# Altium PCB hellen1-72.PcbDoc (part 1 of 3) (continued)
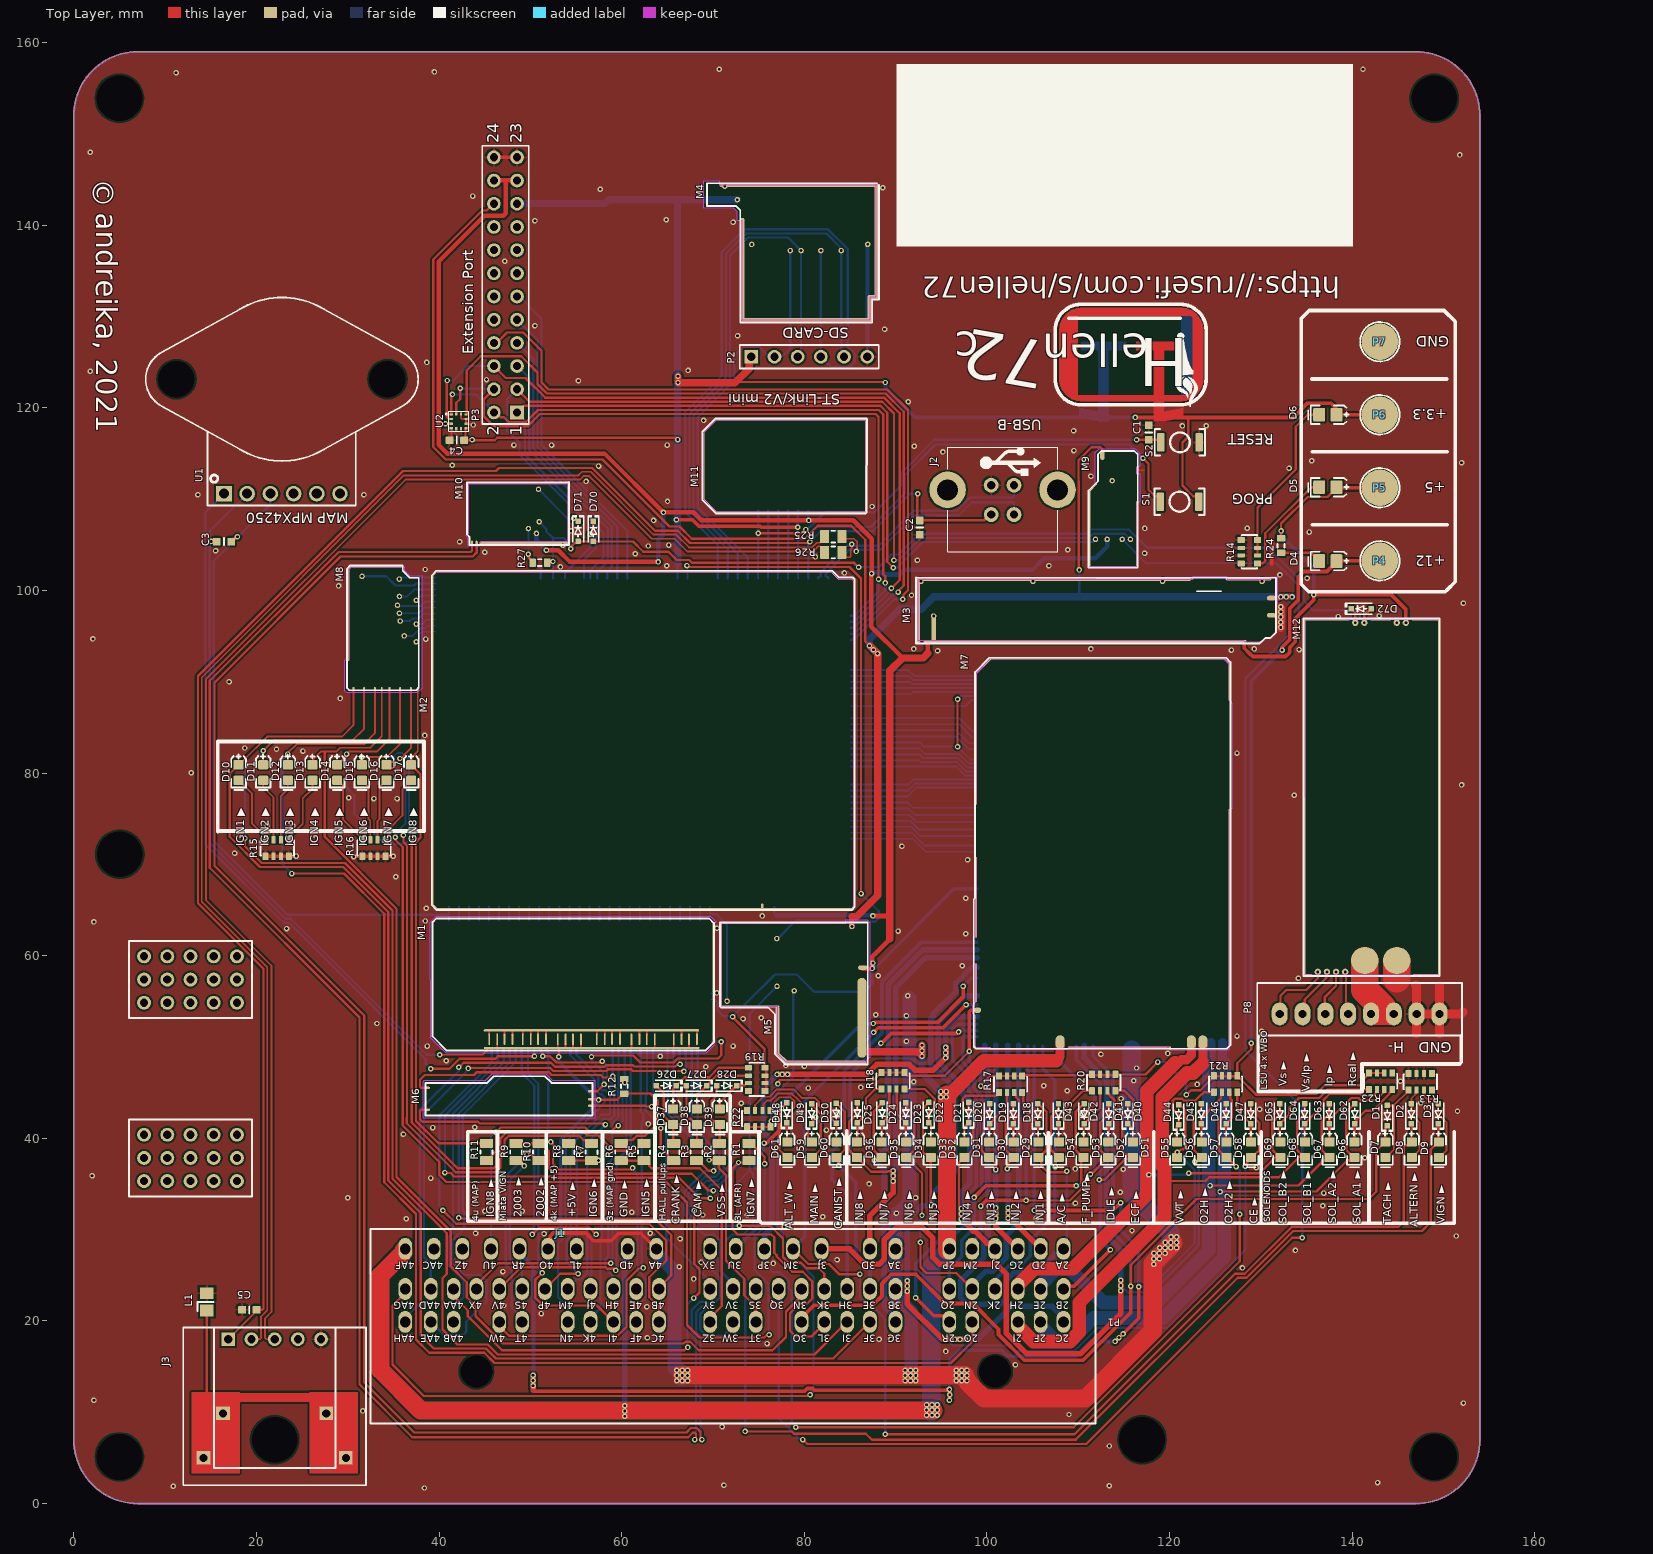
[diagram p0: Top Layer view]
## Footprints (in the part's own frame and the unit in brackets; to place one, negate y for a bottom-side part, rotate by r counter-clockwise, add the part's x,y. Pads: shape width x height; smd on the part's side, far side on the other; paste and mask are expansions set on the pad) (continued)
  rect 0.25x0.35 smd: 5(-0.25,-0.8) 6(0.25,-0.8) 11(0.25,0.8) 12(-0.25,0.8)
  silkscreen extent -1.45,-1.1 1.1,1.1, body extent -1,-1 1,1, height 0.95
MOD_HELLEN_CAN [mm] "Hellen One : CAN module interface"
  oval 0.2x5.67 smd paste-50 mask+0.102: E1(0.2,4.137)
  oval 11.1x0.2 smd paste-50 mask+0.102: E1(5.675,6.875)
  oval 9.8x0.4 smd paste-50 mask+0.102: E1(6.375,0.275)
  oval 0.5x0.25 smd paste-50: E1(11,0.275)
  oval 0.2x6.8 smd paste-50 mask+0.102: E1(11.175,3.538)
  oval 0.25x0.5 smd paste-50: S1(0.65,0.325) S2(1.15,0.325)
  round 0.6 hole 0.3 paste-50: V1(7.7,1.375) V2(6.825,1.9) V5(8,2.65) V6(7.925,6.2)
  Top Layer keep-out region: 0.227,-0.044 0.227,0.918 0.024,1.121 0.287,1.384 0.287,6.81 11.112,6.81 11.112,0.448 1.61,0.448 1.437,0.275 1.437,-0.044
  silkscreen extent 0.1,0.1 11.27,6.99
MOD_Hellen_IGN8 [mm] "Hellen One : 8-ch ignition module interface"
  oval 0.25x10.2 smd paste-50 mask+0.102: G(0.15,8.4)
  oval 0.65x0.25 smd rot 45 paste-50 mask+0.102: G(0.3,13.5)
  oval 5.8x0.25 smd paste-50 mask+0.102: G(3.263,13.65)
  oval 0.2x0.4 smd paste-50: S1(7.775,0.275) S2(7.015,0.275) S3(5.84,0.275) S4(4.665,0.275) S5(3.825,0.275) S6(3.075,0.275) S7(1.9,0.275) S8(0.725,0.275)
  round 0.6 hole 0.3 paste-50: V1(5.765,10.375) V2(7.6,9.95) V3(5.55,9.4) V4(5.765,8.525) V5(5.84,7.675) V6(7.6,7.35) V7(6.29,6.05) V8(7.6,5.4) V9(1.675,12.575) V10(5.75,12.275)
  Top Layer keep-out region: -0.21,0.03 -0.21,3.437 0.171,3.437 0.171,13.345 0.476,13.65 6.3,13.65 6.3,13.248 6.961,12.627 8.19,12.615 8.19,0.265 7.725,-0.2 0.025,-0.2
  silkscreen extent 0.03,0.1 7.88,13.77
MOD_Hellen_Input [mm] "Hellen One : Analog/Digital inputs module interface"
  rrect100% 0.5x0.25 smd far side paste-50: E1(30.65,6.358) E2(30.65,5.698) E3(30.65,5.038) E4(30.65,4.378) E5(30.65,1.078)
  rrect100% 0.2x13 smd paste-50 mask+0.102: E1(30.85,7.545)
  rrect100% 23.6x0.25 smd paste-50 mask+0.102: J1(17.495,2.325) J2(17.52,0.4)
  rrect100% 0.2x1.25 smd paste-50 mask+0.102: J3(6.295,1.35) J4(7.17,1.35) J5(7.97,1.35) J6(8.845,1.35) J7(9.97,1.35) J8(10.845,1.35) J9(11.645,1.35) J10(12.52,1.35) J11(13.795,1.35) J12(14.67,1.35) J13(15.47,1.35) J14(16.345,1.35) J15(18.07,1.35) J16(18.945,1.35) J17(19.745,1.35) J18(20.62,1.35) J19(21.87,1.35) J20(22.745,1.35) J21(23.545,1.35) J22(24.42,1.35) J23(26.5,1.35) J24(27.375,1.35) J25(28.175,1.35) J26(29.05,1.35)
  rrect100% 0.25x0.5 smd far side: N1(1.88,14.327) N2(2.98,14.327) N3(4.08,14.327) N4(5.18,14.327) N5(6.28,14.327) N6(7.38,14.327) N7(8.48,14.327) N8(9.58,14.327) N9(10.68,14.327) N10(11.78,14.327) N11(12.88,14.327) N12(13.98,14.327) N13(15.08,14.327) N14(16.18,14.327) N15(17.28,14.327) N16(18.38,14.327) N17(19.48,14.327) N18(20.58,14.327) N19(21.68,14.327) N20(22.78,14.327) N21(23.88,14.327) N22(24.98,14.327) N23(26.08,14.327) N24(27.18,14.327) N25(28.28,14.327) N26(29.38,14.327)
  rrect100% 0.25x0.5 smd far side paste-50: S1(29.129,0.365) S2(28.469,0.365) S3(27.809,0.365) S4(27.149,0.365) S5(26.489,0.365) S6(25.829,0.365) S7(24.228,0.365) S8(23.568,0.365) S9(22.908,0.365) S10(21.787,0.365) S11(21.127,0.365) S12(20.467,0.365) S13(19.807,0.365) S14(16.481,0.365) S15(15.821,0.365) S16(15.161,0.365) S17(12.515,0.365) S18(11.855,0.365) S19(11.195,0.365) S20(10.535,0.365) S21(9.875,0.365) S22(9.215,0.365) S23(8.555,0.365) S24(7.895,0.365) S25(7.235,0.365) S26(6.575,0.365)
  Top Layer keep-out region: -0.175,1.575 -0.128,1.63 -0.175,14.15 0.484,14.809 30.516,14.809 31.1,14.225 31.1,14.15 30.886,13.936 30.886,0.72 30.898,0.708 30.014,-0.175 1.575,-0.175
  Bottom Layer keep-out region: -0.175,1.575 -0.128,1.63 -0.175,14.15 0.484,14.809 30.516,14.809 31.1,14.225 31.1,14.15 30.886,13.936 30.886,0.72 30.898,0.708 30.014,-0.175 1.575,-0.175
  silkscreen extent 0.1,0.1 30.9,14.58
MOD_HELLEN_KNOCK [mm] "Hellen One : Knock pre-amplifier module interface"
  oval 0.5x0.25 smd paste-50: E1(18.15,2.75) E2(18.15,1.875) E3(18.15,1.175) W1(0.325,0.725) W2(0.325,3.125)
  Top Layer keep-out region: -0.15,-0.225 -0.15,3.875 -0.05,3.975 6.7,3.975 7.4,4.675 13.251,4.675 13.951,3.975 18.647,3.975 18.647,-0.225
  silkscreen extent 0.1,0.1 18.38,4.4
MOD_HELLEN_LIN [mm] "Hellen One : LIN module interface"
  oval 0.2x8.4 smd paste-50 mask+0.102: E1(0.22,4.363)
  oval 0.2x1.2 smd rot 135 paste-50 mask+0.102: E1(0.578,8.878)
  oval 5.25x0.2 smd paste-50 mask+0.102: E1(2.879,0.15)
  oval 0.2x0.7 smd paste-50: E1(5.395,10.775)
  oval 0.2x7.25 smd paste-50 mask+0.102: E1(5.425,3.738)
  oval 0.5x1 smd paste-50: N1(1.625,12.4)
  oval 0.25x0.5 smd paste-50: S1(0.22,0.375)
  round 0.6 hole 0.3 paste-50: V1(2.705,9.625) V2(0.875,3.2) V3(2.15,3.2) V4(3.8,3.2) V5(4.7,3.2)
  Top Layer keep-out region: 0.15,0.293 0.15,8.525 0.86,9.235 0.86,12.685 1.288,13.113 5.237,13.113 5.725,12.625 5.725,11.289 5.541,11.106 5.338,11.106 5.338,10.486 5.317,10.465 5.407,10.375 5.725,10.375 5.725,7.325 5.675,7.275 5.375,7.275 5.375,0.175 5.375,0.175 0.268,0.175
  silkscreen extent 0.1,0.1 5.5,12.88
MOD_HELLEN_MCU [mm] "Hellen One : MCU module interface"
  rrect100% 0.5x0.25 smd far side paste-50: E1(46.002,32.325) E2(46.002,31.665) E3(46.002,31.005) E4(46.002,30.345) E5(46.002,29.685) E6(46.002,26.385) E7(46.002,25.725) E8(46.002,25.065) E9(46.002,24.405) E10(46.002,23.745) E11(46.002,23.085) E12(46.002,22.425) E13(46.002,21.765) E14(46.002,21.105) E15(46.002,20.445) E16(46.002,19.785) E17(46.002,19.125) E18(46.002,18.465) E19(46.002,17.805) E20(46.002,17.145) E21(46.002,16.485) E22(46.002,15.825) E23(46.002,15.165) E24(46.002,14.505) E25(46.002,13.845) E26(46.002,13.185) E27(46.002,12.525) E28(46.002,11.865) E29(46.002,11.205) E30(46.002,10.545) E31(46.002,9.885) E32(46.002,9.225) E33(46.002,8.565) E34(46.002,7.905) W1(0.475,30.58) W2(0.475,31.24) W3(0.475,31.9) W4(0.475,32.56) W5(0.475,33.22) W6(0.475,33.88) W7(0.475,34.54) W8(0.475,35.2) W9(0.475,35.86) W10(0.475,36.52)
  rrect100% 0.25x0.5 smd far side paste-50: N1(12.055,36.452) N2(13.375,36.452) N3(14.695,36.452) N4(15.455,36.452) N5(16.12,36.452) N6(16.785,36.452) N7(17.45,36.452) N8(18.225,36.452) N9(19.325,36.452) N10(20.425,36.452) N11(21.525,36.452) N12(22.625,36.452) N13(23.725,36.452) N14(24.825,36.452) N15(25.925,36.452) N16(27.025,36.452) N17(28.125,36.452) N18(29.225,36.452) N19(30.325,36.452) N20(31.425,36.452) N21(32.525,36.452) N22(33.625,36.452) N23(34.725,36.452) N24(35.825,36.452) N25(36.925,36.452) N26(38.025,36.452) N27(39.125,36.452) N28(40.225,36.452) N29(41.325,36.452) N30(42.425,36.452) N31(43.525,36.452) N32(44.625,36.452) S1(37.625,0.523) S2(36.305,0.523) S3(34.985,0.523) S4(33.885,0.523) S5(32.785,0.523) S6(31.685,0.523) S7(30.585,0.523) S8(29.485,0.523) S9(28.385,0.523) S10(27.285,0.523) S11(26.185,0.523) S12(25.085,0.523) S13(23.985,0.523) S14(22.885,0.523) S15(21.785,0.523) S16(20.685,0.523) S17(19.585,0.523) S18(18.485,0.523) S19(17.385,0.523) S20(16.285,0.523) S21(15.185,0.523) S22(14.085,0.523) S23(12.985,0.523) S24(11.885,0.523) S25(10.785,0.523) S26(9.685,0.523) S27(8.585,0.523) S28(7.485,0.523) S29(6.385,0.523) S30(5.285,0.523) S31(4.185,0.523) S32(3.085,0.523) S33(1.985,0.523)
  rrect100% 0.2x36.19 smd paste-50 mask+0.102: S2(0.175,18.722)
  rrect100% 0.2x0.8 smd rot 135 paste-50 mask+0.102: S2(0.39,36.935)
  rrect100% 0.2x0.94 smd rot 45 paste-50 mask+0.102: S2(0.438,0.462)
  rrect100% 43.5x0.2 smd paste-50 mask+0.102: S2(22.265,37.15)
  rrect100% 45.6x0.2 smd paste-50 mask+0.102: S2(23.4,0.2)
  rrect100% 0.25x0.7 smd paste-50: S2(36.305,0.45)
  rrect100% 0.2x1.2 smd rot 45 paste-50 mask+0.102: S2(44.288,36.788)
  rrect100% 1.6x0.2 smd paste-50 mask+0.102: S2(45.375,36.425)
  rrect100% 0.2x0.58 smd rot 135 paste-50 mask+0.102: S2(46.212,0.337)
  rrect100% 0.2x0.55 smd rot 45 paste-50 mask+0.102: S2(46.225,36.3)
  rrect100% 0.2x35.9 smd paste-50 mask+0.102: S2(46.35,18.325)
  Top Layer keep-out region: 0.098,0.712 0.098,36.72 0.528,37.15 43.925,37.15 44.625,36.45 46.075,36.45 46.35,36.175 46.35,36.175 46.35,0.374 46.086,0.109 0.682,0.109
  Bottom Layer keep-out region: 0.098,0.712 0.151,36.773 0.536,37.15 43.925,37.15 44.625,36.45 46.075,36.45 46.35,36.175 46.35,0.374 46.075,0.099 46.064,0.109 0.682,0.109
  silkscreen extent 0.1,0.1 46.43,37.26
MOD_Hellen_OUTPUT [mm] "Hellen One : Outputs module interface"
  oval 0.2x3.6 smd paste-50 mask+0.102: G(0.175,2.025)
  oval 0.2x0.3 smd rot 45 paste-50 mask+0.102: G(0.245,0.273)
  oval 0.2x4.25 smd paste-50 mask+0.102: G(0.325,7.335)
  oval 0.2x14.4 smd paste-50 mask+0.102: G(0.327,34.056)
  oval 0.2x8.825 smd paste-50 mask+0.102: G(0.327,16.697)
  oval 1.7x0.2 smd paste-50 mask+0.102: G(1.075,0.2)
  oval 2.43x0.2 smd rot 45 paste-50 mask+0.102: G(1.135,42.031)
  oval 25.7x0.2 smd paste-50 mask+0.102: G(14.7,42.835)
  oval 25.6x0.2 smd far side paste-50 mask+0.102: G(14.7,42.825)
  oval 11.325x0.2 smd paste-50 mask+0.102: G(16.025,0.26)
  oval 0.2x1.2 smd far side rot 45 paste-50 mask+0.102: G(27.745,42.47)
  oval 1x0.2 smd rot 135 paste-50 mask+0.102: G(27.789,42.551)
  oval 0.2x25.85 smd paste-50 mask+0.102: G(28.075,13.46)
  oval 0.2x4.15 smd paste-50 mask+0.102: G(28.077,40.271)
  oval 0.2x40.8 smd far side paste-50 mask+0.102: G(28.1,21.8)
  oval 1x1.5 smd far side paste-50: S1(27.302,0.814) S2(26.046,0.814)
  oval 11.4x1.1 smd far side paste-50: S3(19.602,0.689)
  oval 1x1.5 smd paste-50: S4(25.157,0.839) S5(23.902,0.839) S11(9.527,0.839)
  oval 0.4x0.6 smd far side paste-50: S6(13.152,0.389) S8(11.307,0.389) S9(10.577,0.389) S10(9.682,0.389) S12(7.607,0.389) S13(6.707,0.389) S14(5.997,0.389)
  oval 0.6x0.8 smd far side paste-50: S7(12.177,0.489) S15(4.977,0.489) S16(3.802,0.489) S17(2.452,0.489) S18(1.277,0.489)
  oval 0.6x0.4 smd far side paste-50: W1(0.377,1.419) W2(0.377,2.114) W3(0.377,2.794) W6(0.377,4.919) W8(0.377,7.164) W9(0.377,7.814) W13(0.377,11.789) W14(0.377,17.639)
  oval 0.8x0.6 smd far side paste-50: W4(0.472,3.614) W7(0.472,5.889) W10(0.472,9.014) W11(0.472,10.089) W12(0.472,10.964)
  oval 0.8x0.6 smd paste-50: W5(0.472,4.335)
  oval 0.4x0.2 smd far side paste-50: W15(0.272,21.694) W16(0.272,22.354) W17(0.272,23.414) W18(0.272,24.118) W19(0.272,24.918) W20(0.272,25.718) W21(0.272,26.514) W22(0.272,28.709) W23(0.272,29.149) W24(0.272,29.589) W25(0.272,30.029) W26(0.272,30.469) W27(0.272,30.909) W28(0.272,31.349) W29(0.272,31.789) W30(0.272,32.914) W31(0.272,33.574) W32(0.272,34.234) W33(0.272,34.894) W34(0.272,38.299) W35(0.272,38.739) W36(0.272,39.179) W37(0.272,39.619) W38(0.272,40.059) W39(0.272,40.499) W40(0.272,40.939)
  Top Layer keep-out region: 0.175,0.342 0.175,3.75 -0.025,3.95 -0.025,4.885 0.35,5.26 0.35,9.375 0.3,9.425 0.05,9.425 0.05,12.275 0.125,12.35 0.35,12.35 0.35,21.05 0.175,21.225 0.175,26.825 0.275,26.925 0.35,26.925 0.359,41.263 1.954,42.858 27.485,42.858 27.485,42.829 28.087,42.227 28.087,38.21 28.35,37.96 28.347,26.41 28.235,26.41 28.075,26.25 28.075,0.66 27.972,0.66 27.972,-0.065 21.65,-0.065 21.368,0.217 21.368,0.263 10.463,0.263 10.25,0.05 10.25,0 1.875,0 1.825,0.05 1.825,0.2 0.317,0.2
  Bottom Layer keep-out region: 0.325,-0.2 -0.025,0.15 -0.025,16.425 0.05,16.5 0.05,41.425 1.75,43.125 1.979,42.827 27.388,42.827 28.114,42.101 28.114,1.508 28.27,1.343 28.27,0.515 27.804,-0.035 25.492,-0.028 25.09,0.61 14.255,0.61 13.445,-0.2
  silkscreen extent 0.07,0.11 28.18,42.94
MOD_HELLEN_POWER_5 [mm] "Hellen One : 5V power module interface"
  oval 0.4x7.2 smd paste-50 mask+0.102: G(0.325,3.719)
  round 0.6 hole 0.3 paste-50: G(0.637,6.9) G(12.9,6.9) G(27.1,6.9) G(38,6.9) V2(2.025,3.1)
  oval 30x0.4 smd paste-50 mask+0.102: G(15.2,7.125)
  oval 5x0.4 smd paste-50 mask+0.102: G(36.512,7.175)
  oval 1x0.5 smd paste-50: G(39.02,3.175) V1(39.02,5.075)
  oval 0.2x3.1 smd paste-50 mask+0.102: G(39.495,2.875)
  oval 0.5x3 smd paste-50 mask+0.102: V2(2.025,1.717)
  oval 35.4x0.4 smd paste-50 mask+0.102: V2(18.6,0.3)
  Top Layer keep-out region: 0.325,0.4 0.325,0.425 0.35,7.075 0.406,7.131 17.8,7.131 22.518,7.132 22.65,7.131 22.675,7.13 30.4,7.15 30.45,7.2 30.45,7.475 34.075,7.475 34.175,7.375 34.175,7.15 38.775,7.15 39.05,7.425 39.675,7.425 39.675,4.378 39.475,4.375 39.475,4.354 39.46,4.34 39.46,1.148 38.931,0.619 38.425,0.619 38.011,0.205 36.195,0.205 36,0.4
  silkscreen extent 0.1,0.1 39.52,7.35
MOD_HELLEN_POWER_12 [mm] "Hellen One : 12V power module interface"
  oval 1x0.5 smd paste-50: E1(15.725,10.7)
  oval 1x8.745 smd paste-50 mask+0.102: E2(15.64,5.197)
  oval 0.2x9.2 smd paste-50 mask+0.102: S1(0.2,10.944)
  oval 0.2x0.5 smd paste-50: S1(0.2,6.65)
  oval 6.5x0.2 smd paste-50 mask+0.102: S1(3.35,6.425)
  oval 0.4x5.4 smd paste-50 mask+0.102: S1(6.4,3.775)
  oval 0.4x1.6 smd rot 45 paste-50 mask+0.102: S1(6.9,0.775)
  oval 13.8x0.2 smd paste-50 mask+0.102: S1(7.044,15.55)
  oval 9x0.4 smd paste-50 mask+0.102: S1(11.65,0.3)
  round 0.6 hole 0.3 paste-50: V1(14.55,15.2) V2(6.325,13.875) V3(6.343,8.643) V4(8.225,8.15) V5(0.875,7.025)
  Top Layer keep-out region: 0.225,6.425 0.25,6.45 0.25,15.55 13.875,15.55 13.9,15.575 13.9,15.924 16.238,15.926 16.482,15.625 16.482,0.832 16.373,0.832 15.975,0.325 7.375,0.325 6.425,1.275 6.425,6.375 6.4,6.4
  silkscreen extent 0.1,0.1 16.27,15.63
MOD_HELLEN_SD [mm] "Hellen One : SD-card module interface"
  oval 0.5x11.4 smd paste-50 mask+0.102: G(3.975,5.887)
  oval 17.4x0.4 smd paste-50 mask+0.102: G(10.175,15.175)
  oval 14.45x0.5 smd paste-50 mask+0.102: G(10.945,0.35)
  oval 0.5x3 smd paste-50 mask+0.102: G(17.925,1.625)
  oval 1.2x0.5 smd paste-50 mask+0.102: G(18.275,2.9)
  oval 0.5x12.7 smd paste-50 mask+0.102: G(18.675,9.012)
  round 0.6 hole 0.3: V1(3.425,13.575) V2(5,8.67) V3(17.704,8.679) V4(9.225,8) V5(10.4,8) V6(12.575,8) V7(14.8,8)
  Top Layer keep-out region: -0.275,12.625 -0.275,15.63 1.458,15.63 1.459,15.291 1.575,15.175 1.587,15.187 18.612,15.187 18.601,15.176 18.601,2.9 17.942,2.9 17.942,0.375 3.925,0.375 3.95,0.4 3.95,11.275 3.399,11.275 3.399,12.276 3.05,12.625
  silkscreen extent 0.1,0.1 18.95,15.37
MOD_HELLEN_STLINK [mm] "Hellen One : ST/Link module interface"
  rrect100% 0.2x7.49 smd paste-50 mask+0.102: G(0.225,5.322)
  rrect100% 0.2x7.49 smd far side paste-50 mask+0.102: G(0.225,5.322)
  rrect100% 0.2x0.8 smd far side rot 45 paste-50 mask+0.102: G(0.448,1.452)
  rrect100% 0.2x2.19 smd rot 135 paste-50 mask+0.102: G(0.935,9.701)
  rrect100% 0.2x2.19 smd far side rot 135 paste-50 mask+0.102: G(0.935,9.701)
  rrect100% 0.2x2.24 smd rot 45 paste-50 mask+0.102: G(0.948,0.952)
  rrect100% 16.55x0.2 smd paste-50 mask+0.102: G(9.821,10.407)
  rrect100% 16.55x0.2 smd far side paste-50 mask+0.102: G(9.821,10.407)
  rrect100% 16.46x0.2 smd paste-50 mask+0.102: G(9.854,0.229)
  rrect100% 0.2x10.37 smd paste-50 mask+0.102: G(18.017,5.312)
  rrect100% 0.2x9.37 smd far side paste-50 mask+0.102: G(18.017,5.812)
  rrect100% 0.25x0.5 smd far side paste-50: N1(11.725,0.4) N2(10.625,0.4) N3(9.525,0.4) N4(8.425,0.4) N5(7.325,0.4) N6(6.225,0.4)
  Top Layer keep-out region: 0.225,1.675 0.225,8.975 1.65,10.4 18,10.4 18.025,10.375 18.025,0.25 1.7,0.25
  Bottom Layer keep-out region: 0.678,1.221 0.221,1.678 0.221,8.981 0.219,8.983 1.642,10.406 17.951,10.406 17.977,10.38 17.977,1.259 18.3,1.259 18.3,-0.075 1.575,-0.075 0.525,0.975 0.525,0.975
  silkscreen extent 0.1,0.1 18.13,10.5
MOD_HELLEN_WBO [mm] "Hellen One : WBO module interface"
  round 0.7 hole 0.3: E1(38.8,1.65) E2(38.8,2.65) E3(38.8,3.65) E4(38.8,4.65) W1(0.55,11.3) W2(0.55,10.3) W3(0.55,6.75) W4(0.55,5.75)
  round 3 smd: E5(37.55,6.8) E6(37.55,10.3)
  rect 0.25x3.1 smd: G(0.175,13.5)
  rect 0.25x3.1 smd far side: G(0.175,13.5)
  rect 0.25x2.25 smd: G(0.175,8.525)
  rect 0.25x2.25 smd far side: G(0.175,8.525)
  rect 0.25x5.05 smd: G(0.175,2.575)
  rect 0.25x5.05 smd far side: G(0.175,2.575)
  rect 39.25x0.25 smd: G(19.675,14.925) G(19.675,0.175)
  rect 39.25x0.25 smd far side: G(19.675,14.925) G(19.675,0.175)
  rect 0.25x0.95 smd: G(39.175,0.525)
  rect 0.25x0.95 smd far side: G(39.175,0.525)
  rect 0.25x9.75 smd far side: G(39.175,10.175)
  rect 0.25x2.95 smd: G(39.175,13.575)
  Top Layer keep-out region: 0.175,0.2 0.175,14.925 39.175,14.925 39.175,0.175
  Bottom Layer keep-out region: 0.175,0.2 39.175,0.175 39.175,14.925 0.175,14.925
  silkscreen extent 0.1,0.1 39.25,15
MODULE-USB-MINI [mm] "Connector; Header; 5 Position"
  rect 1.5x1.5 hole 0.9: 1(-5.08,0) S(-7.8,-13) S(-5.65,-8.125) S(5.65,-8.125) S(7.8,-13)
  round 1.5 hole 0.9: 2(-2.54,0) 3(0,0) 4(2.54,0) 5(5.08,0)
  silkscreen extent -10,-16 9.99,1.27
MPX4250AP [mm]
  rect 1.7x1.7 hole 1.1 paste-1000 mask+0: 1(0,6.35)
  round 1.7 hole 1.1 paste-1000 mask+0: 2(0,3.81) 3(0,1.27) 4(0,-1.27) 5(0,-3.81) 6(0,-6.35)
  round 0 hole 4 unplated: _1(12.54,-11.555) ""(12.54,11.555)
  silkscreen extent -1.3,-14.92 21.49,14.92, body extent -0.31,-14.73 32.58,14.73, height 8.01
NET-TIE [mm] "Net Tie"
  rect 0.5x0.5 smd paste-5 mask+0.102: 1(-0.2,0) 2(0.2,0)
PAD-SMD-4.0 [mm] "SMD Pad; Header; 1 Position"
  round 4 smd: 1(0,0)
  silkscreen extent -2.16,-2.16 2.16,2.16, body extent -0.05,-0.05 0.05,0.05
R0603 [mm] "Chip Resistor 0.1W; Body 1.6 x 0.8 mm (LxW typ)"
  rrect20% 0.7x0.92 smd: 1(-0.8,0) 2(0.8,0)
  silkscreen extent -0.2,-0.37 0.2,0.37, body extent -0.8,-0.4 0.8,0.4, height 0.45
R0603_x4 [mm] "CAY16-F4 Resistor Array; 8 Leads; Body 3.2 x 1.6 mm, inc. leads (LxW max)"
  rrect20% 0.8x0.65 smd: 1(-0.9,1.275) 4(-0.9,-1.275) 5(0.9,-1.275) 8(0.9,1.275)
  rrect20% 0.8x0.45 smd: 2(-0.9,0.4) 3(-0.9,-0.4) 6(0.9,-0.4) 7(0.9,0.4)
  silkscreen extent -0.82,-1.83 0.82,1.83, body extent -0.8,-1.6 0.8,1.6, height 0.49
R0805 [mm] "Chip Resistor 0.125W; Body 2.0 x 1.2 mm (LxW typ)"
  rrect20% 1x1.45 smd: 1(-0.95,0) 2(0.95,0)
  silkscreen extent -0.2,-0.65 0.2,0.65, body extent -0.95,-0.62 1.05,0.63, height 0.6
SOD-323 [mm] "SODFL, 2-Leads, Body 1.25x2.50mm, IPC Medium Density"
  rrect20% 0.6x0.6 smd: 1(-1.1,0) 2(1.1,0)
  silkscreen extent -1.73,-0.57 1.2,0.6, body extent -1.25,-0.63 1.25,0.62, height 0.8

## Part data
C1 C3 C4: library part Cap, "Capacitor", Supplier Part Number 1=710-885012207079, Fitted=True, PackageReference=C0603, Supplier 1=Mouser, Supplier 2=Digi-Key, Supplier 3=LCSC, Supplier Part Number 2=732-7673-1-ND, Supplier Part Number 3=C14663, Type=SMD
C2 C5: library part Cap, "Capacitor", Fitted=True, PackageReference=C0603, Supplier 3=LCSC, Supplier Part Number 3=C14663, Type=SMD
D1 D2 D3 D18 D19 D20 D21 D22 D23 D24 D25 D26 D27 D28 D40 D41 D42 D43 D44 D45 D46 D47 D48 D49 D50 D62 D63 D64 D65: library part Diode, "Small Signal Fast Switching Diode", ComponentLink1Description="Manufacturer Link", ComponentLink1URL=http://www.vishay.com, ComponentLink2Description=Datasheet, ComponentLink2URL=http://www.vishay.com/docs/85557/85557.pdf, DatasheetVersion=1997, Fitted=True, LatestRevisionDate=17-Jul-2002, LatestRevisionNote="Re-released for DXP Platform.", Note="LL4148, MMSD4148", PackageDescription=SOD-323, PackageReference=SOD-323, PackageVersion=1997, Published=29-Sep-2000, Publisher="andrei (modified from Vishay parts)", Supplier 1=Mouser, Supplier 2=DigiKey, Supplier 3=LCSC, Supplier Part Number 3=C2128, Type=SMD
D4 D5 D6 D9: library part LED, "GREEN LED", PackageDocument=Feb-2002, Fitted=True, LatestRevisionDate=17-Jul-2002, LatestRevisionNote="Re-released for DXP Platform.", Published=8-Jun-2000, Publisher="Altium Limited", Supplier 3=LCSC, Type=SMD
  D4 D5 D6: PackageReference=LED-0805, Supplier Part Number 3=C2297
  D9: PackageReference=LED-0603, Supplier Part Number 3=C72043
D7 D8 D39 D51 D52 D53 D54 D55 D56 D57 D58 D59 D60 D61 D66 D67 D68 D69: library part LED, "WHITE LED", PackageDocument=Feb-2002, Fitted=True, LatestRevisionDate=17-Jul-2002, LatestRevisionNote="Re-released for DXP Platform.", PackageReference=LED-0603, Published=8-Jun-2000, Publisher="Altium Limited", Supplier 3=LCSC, Supplier Part Number 3=C2290, Type=SMD
D10 D11 D12 D13 D14 D15 D16 D17: library part LED, "BLUE LED", PackageDocument=Feb-2002, Fitted=True, LatestRevisionDate=17-Jul-2002, LatestRevisionNote="Re-released for DXP Platform.", PackageReference=LED-0603, Published=8-Jun-2000, Publisher="Altium Limited", Supplier 3=LCSC, Supplier Part Number 3=C72041, Type=SMD
D29 D30 D31 D32 D33 D34 D35 D36 D37 D38: library part LED, "RED LED", PackageDocument=Feb-2002, Fitted=True, LatestRevisionDate=17-Jul-2002, LatestRevisionNote="Re-released for DXP Platform.", PackageReference=LED-0603, Published=8-Jun-2000, Publisher="Altium Limited", Supplier 3=LCSC, Supplier Part Number 3=C2286, Type=SMD
D70 D71 D72: library part "D Schottky", "Schottky Diode", Code_JEDEC=DO-214-AA, Fitted=True, LatestRevisionDate=17-Jul-2002, LatestRevisionNote="Re-released for DXP Platform.", PackageReference=SOD-323, Published=8-Jun-2000, Publisher="Altium Limited", Supplier 3=LCSC, Supplier Part Number 3=C2128, Type=SMD
J1: "One-point Net Tie", LatestRevisionDate=17-Jul-2002, LatestRevisionNote="Re-released for DXP Platform.", Published=8-Jun-2000, Publisher="Altium Limited"
J2 J3: library part "Conn USB", "USB Connector Type B", PackageDocument=2003, ComponentLink1Description="Manufacturer Link", ComponentLink1URL=http://www.cliffuk.co.uk/, DatasheetDocument=2003, DrillAndSlotSize="Corresponds to nominal value.", Fitted=True, LatestRevisionDate=15-Jul-2004, LatestRevisionNote="Component Replaced & renamed from \"Phonejack\".", PackageReference=USB-B-VERTICAL, PCB_Layout="Complies with manufacturer's recommendation.", Publisher=andrei, Supplier 1=Mouser, Supplier 2=DigiKey, Supplier 3=LCSC, Type=SMD
L1: library part Inductor, "Chip Inductor", Supplier Part Number 1=963-BK2125HM601-T, Code_IEC=1005, Code_JEITA=0402, Fitted=True, LatestRevisionDate=17-Jul-2002, LatestRevisionNote="Re-released for DXP Platform.", PackageReference=L0805, Published=8-Jun-2000, Publisher="Altium Limited", Supplier 1=Mouser, Supplier 2=Digi-Key, Supplier 3=LCSC, Supplier Part Number 2=587-1902-1-ND, Supplier Part Number 3=C1015, Type=SMD
M1: library part Mod-Hellen-Input, "Hellen-One Analog/Digital Inputs Module", Fitted=False, Publisher=andreika, Supplier 1=Mouser, Supplier 2=Digi-Key, Supplier 3=LCSC, Type=Module
M2: library part Mod-Hellen-MCU, "Hellen One MCU Module", Fitted=False, Publisher=andreika, Supplier 1=Mouser, Supplier 2=Digi-Key, Supplier 3=LCSC, Type=Module
M3: library part Mod-Hellen-Power5, "Hellen-One Power-5V Module", Fitted=False, Publisher=andreika, Supplier 1=Mouser, Supplier 2=Digi-Key, Supplier 3=LCSC, Type=Module
M4: library part Mod-Hellen-SD, "Hellen-One microSD Card Module", Fitted=False, Publisher=andreika, Supplier 1=Mouser, Supplier 2=Digi-Key, Supplier 3=LCSC, Type=Module
M5: library part Mod-Hellen-Power12, "Hellen-One Power-12V Module", Fitted=False, Publisher=andreika, Supplier 1=Mouser, Supplier 2=Digi-Key, Supplier 3=LCSC, Type=Module
M6: library part Mod-Hellen-Knock, "Hellen-One Knock Pre-amplifier Module", Fitted=False, Publisher=andreika, Supplier 1=Mouser, Supplier 2=Digi-Key, Supplier 3=LCSC, Type=Module
M7: library part Mod-Hellen-Output, "Hellen-One Outputs Module", Fitted=False, Publisher=andreika, Supplier 1=Mouser, Supplier 2=Digi-Key, Supplier 3=LCSC, Type=Module
M8: library part Mod-Hellen-IGN8, "Hellen-One 8-ch Ignition Module", Fitted=False, Publisher=andreika, Supplier 1=Mouser, Supplier 2=Digi-Key, Supplier 3=LCSC, Type=Module
M9: library part Mod-Hellen-LIN, "Hellen-One K-LINE (LIN) Module", Fitted=False, Publisher=andreika, Supplier 1=Mouser, Supplier 2=Digi-Key, Supplier 3=LCSC, Type=Module
M10: library part Mod-Hellen-CAN, "Hellen-One CAN Module", Fitted=False, Publisher=andreika, Supplier 1=Mouser, Supplier 2=Digi-Key, Supplier 3=LCSC, Type=Module
M11: library part Mod-Hellen-STLink, "Hellen-One ST/Link Module", Fitted=False, Publisher=andreika, Supplier 1=Mouser, Supplier 2=Digi-Key, Supplier 3=LCSC, Type=Module
M12: library part Mod-Hellen-WBO, "Hellen-One WBO Module", Fitted=False, Publisher=andreika, Supplier 1=Mouser, Supplier 2=Digi-Key, Supplier 3=LCSC, Type=Module
P1: library part CONN-TE-72Pin, "72 Pin ECU Connector (TE 1123038-2)", Fitted=False, Publisher=andreika, Type=PTH
P2: library part "Header 1x6", "Header, 6-Pin", Fitted=False, LatestRevisionDate=17-Jul-2002, LatestRevisionNote="Re-released for DXP Platform.", Publisher="Altium Limited", Supplier 3=LCSC, Type=TH
P3: library part "Header 2x12", "Header, 12-Pin, Dual row", LatestRevisionDate=17-Jul-2002, LatestRevisionNote="Re-released for DXP Platform.", Publisher="Altium Limited"
P4 P5 P6 P7: library part Pad, "Pad", Fitted=False
P8: library part "Header 1x8", "Header, 8-Pin 2.50mm pitch, 3A", Fitted=True, LatestRevisionDate=17-Jul-2002, LatestRevisionNote="Re-released for DXP Platform.", PackageReference=CONN-XH-8A, Publisher="Altium Limited", Supplier 3=LCSC, Supplier Part Number 3=C146110, Type=TH
R1 R2 R3 R4 R5 R6 R7 R8 R9 R10 R11 R12 R24 R25 R26 R27: library part Res, "Resistor", Supplier 3=LCSC, Type=SMD
  R1 R2 R3 R4 R6 R8 R9 R10 R11 R25 R26: Fitted=True, PackageReference=R0805, Supplier 1=Mouser, Supplier 2=DigiKey, Supplier Part Number 3=C17477
  R5 R7: Fitted=False, PackageReference=R0805, Supplier 1=Mouser, Supplier 2=DigiKey, Supplier Part Number 3=C17477
  R12: Fitted=True, PackageReference=R0603, Supplier Part Number 3=C21190
  R24: Fitted=True, PackageReference=R0603, Supplier 1=Mouser, Supplier 2=DigiKey, Supplier Part Number 3=C4190
  R27: Fitted=True, PackageReference=R0603, Supplier 1=Mouser, Supplier 2=DigiKey, Supplier Part Number 3=C22978
R13 R14 R15 R16 R17 R18 R19 R20 R21 R22 R23: library part "Res Array 4", "Resistor", Fitted=True, PackageReference=R0603-4, Supplier 1=Mouser, Supplier 2=Digi-Key, Supplier 3=LCSC, Type=SMD
  R13 R17 R18 R20 R21 R22 R23: Supplier Part Number 3=C1980
  R14 R15 R16 R19: Supplier Part Number 3=C25510
S1 S2: "Single-Pole, Single-Throw Switch", Fitted=True, LatestRevisionDate=17-Jul-2002, LatestRevisionNote="Re-released for DXP Platform.", PackageReference=SMD-2_2.9x3.9x1.7, Published=24-Mar-1999, Publisher="Altium Limited", Supplier 3=LCSC, Supplier Part Number 3=C115357, Type=SMD
U1: library part MPX4250AP, Fitted=False, PackageReference=867B, Supplier 3=LCSC, Type=TH
U2: "QMA7981 3-Axis Accelerometer IC, 0  400 (SCL) kHz, Maximum of 10 (SPI) MHz", Manufacturer_Name=STMicroelectronics, Manufacturer_Part_Number=LIS2DH12TR, RS Part Number=1458888, Datasheet Link=http://docs-europe.electrocomponents.com/webdocs/13f2/0900766b813f2467.pdf, Fitted=True, Geometry.Height=1mm, PackageReference=LGA12, RS Price/Stock=http://uk.rs-online.com/web/p/products/1458888, Supplier 3=LCSC, Supplier Part Number 3=C457290, Type=SMD

## Free pads (board coordinates)
  round 0 hole 5 unplated: ""(5,5.1) ""(5,153.9) ""(5.049,71.1) ""(22,7) ""(117,7) ""(149,5.1) ""(149,153.9)
  round 1.524 hole 0.9: ""(7.7,35.31) ""(7.7,37.85) ""(7.7,40.39) ""(7.7,54.85) ""(7.7,57.39) ""(7.7,59.93) ""(10.24,35.31) ""(10.24,37.85) ""(10.24,40.39) ""(10.24,54.85) ""(10.24,57.39) ""(10.24,59.93) ""(12.78,35.31) ""(12.78,37.85) ""(12.78,40.39) ""(12.78,54.85) ""(12.78,57.39) ""(12.78,59.93) ""(15.32,35.31) ""(15.32,37.85) ""(15.32,40.39) ""(15.32,54.85) ""(15.32,57.39) ""(15.32,59.93) ""(17.86,35.31) ""(17.86,37.85) ""(17.86,40.39) ""(17.86,54.85) ""(17.86,57.39) ""(17.86,59.93)

## Via types
v1: diameter 0.6, hole 0.3, Top Layer to Bottom Layer, tented both sides, 490 vias

## Nets (pads, with @x,y where several pads share a name; then routed paths per layer and width w, separated by ;. In a path a pad name is that pad's centre, name@x,y a point inside that pad or via, vN(x,y) a via of type N, cw(c..) or ccw(c..) an arc to the next point about the centre after c; other vN are vias at no path point)
AC: M2.E9 M7.W37 | length 13.7
  Bottom Layer w0.2: M2.E9@85.102,89.305 85.112,89.315 85.272,89.315 85.276,89.319 M7.W37@98.772,89.319
AC_PRESS: M1.N10 M2.S24 | length 1.6
  Bottom Layer w0.2: M1.N10@50.983,63.83 M2.S24@50.983,65.42
AFR: M1.N26 M2.S8 | length 1.6
  Bottom Layer w0.2: M1.N26@68.582,63.83 M2.S8@68.582,65.42
ALT_WARN: M2.E7 M7.W39 | length 13.8
  Bottom Layer w0.2: M2.E7@85.102,90.625 91.509,90.625 91.936,90.199 M7.W39@98.772,90.199
ALTERN: M2.E19 M7.W28 | length 14.4
  Bottom Layer w0.2: M2.E19@85.102,82.705 92.62,82.705 93.25,82.075 97,82.075 98.026,81.049 M7.W28@98.772,81.049
BOOT0: M2.N28 S1.1 | length 53.8
  Top Layer w0.25: v1(117.1,114.475) 117.7,113.875 117.7,111.025 118.407,110.318 118.725,110.318 119,110.043 S1.1@119,109.725
  Bottom Layer w0.25: M2.N28@79.325,101.352 79.325,105.443 79.457,105.575 79.925,105.575 80.396,106.046 80.439,106.046 80.805,106.412 80.805,106.455 81.3,106.95 87.311,106.95 91.009,110.648 91.009,112.623 94.386,116 115.575,116 v1(117.1,114.475)
BRAKE: M1.N6 M2.S28 | length 1.6
  Bottom Layer w0.2: M1.N6@46.583,63.83 M2.S28@46.583,65.42
CAM: M1.N19 M2.S15 | length 1.6
  Bottom Layer w0.2: M1.N19@60.882,63.83 M2.S15@60.882,65.42
CAM_PULLUP: D27.2 D38.2 R3.2 | length 6.9
  Top Layer w0.25: D27.2@67.1,45.775 67.1,42.45 67.4,42.15 67.55,42.15 68.2,41.5 D38.2@68.25,41.5 68.25,39.5 R3.2@68.2,39.45
CAN_N: M10.S1 P1.3X | length 184.1
  Top Layer w0.25: M10.S1@43.62,105.205 43.62,105.202 43.618,105.2 43.618,104.355 43.486,104.223 29.016,104.223 14.9,90.107 14.9,89.91 14.896,89.906 14.896,69.641 31.296,53.241 31.296,13.055 37.08,7.271 67.305,7.271 67.791,7.757 68.014,7.757 68.146,7.625 68.146,7.243 67.998,7.095 v1(67.998,7)
  Top Layer w0.381: v1(67.998,7) v1@68.04,6.958
  Bottom Layer w0.25: P1.3X@69.7,27.9 69.7,25.8 70.775,24.725 70.775,22.605 69.87,21.7 69.567,21.7 69.176,22.091 68.572,22.091 67.671,21.19 67.671,18.61 68.146,18.135 68.146,10.661 v1@68.146,7.243 ; v1@68.146,7.243 68.146,7.148 v1(67.998,7) 67.998,7.095 v1@68.146,7.243
CAN_P: M10.S2 P1.3W | length 182.7
  Top Layer w0.25: M10.S2@44.12,105.205 44.12,104.995 44.118,104.993 44.118,104.148 43.693,103.723 29.223,103.723 15.4,89.9 15.4,69.85 31.8,53.45 31.8,13.264 37.289,7.775 67.096,7.775 67.582,8.261 68.223,8.261 68.65,7.834 68.65,7.243 68.798,7.095 v1(68.798,7)
  Top Layer w0.381: v1@68.756,6.958 v1(68.798,7)
  Bottom Layer w0.25: P1.3W@72.2,19.9 72.2,19.45 71.125,18.375 69.255,18.375 68.625,19.005 68.625,20.795 69.099,21.269 69.099,21.455 68.967,21.587 68.781,21.587 68.175,20.982 68.175,18.818 68.65,18.343 68.65,10.869 v1@68.65,7.243 ; v1@68.65,7.243 68.65,7.148 v1(68.798,7) 68.798,7.095 v1@68.65,7.243
CAN_RX_TX: D70.2 D71.2 D72.2 M2.N2 M10.V5 M12.W3 R27.1 | length 108.3
  Top Layer w0.25: R27.1@51.85,103.05 51.975,103.175 v1(52.475,103.175) ; v1(54.431,104.571) 54.431,104.756 54.875,105.2 55.05,105.2 D71.2@55.225,105.375 D70.2@56.9,105.375 61.239,105.375 62.366,104.247 65.128,104.247 66.025,103.35 67.409,103.35 67.734,103.025 85.465,103.025 v1(85.95,102.54) ; M12.W3@141.35,96.475 141.35,97.393 141.615,97.659 141.759,97.659 D72.2@142.1,98
  Bottom Layer w0.25: M10.V5@50.97,107.53 51.756,106.744 51.756,106.469 52.475,105.75 ; M2.N2@52.475,101.352 52.475,105.75 ; v1(54.431,104.571) 54.418,104.584 54.418,104.992 53.66,105.75 52.475,105.75 ; v1(85.95,102.54) 85.985,102.575 88.2,102.575 89.571,103.946 90.323,103.946 92.604,106.227 110.877,106.227 111.325,106.675 115.534,106.675 117.534,104.675 130.789,104.675 134.7,100.764 134.7,98.85 135.7,97.85 141.05,97.85 141.35,97.55 M12.W3@141.35,96.475
CAN_VIO: M2.N1 M10.V2 R27.2 | length 7.1
  Top Layer w0.25: v1(49.775,103.975) 49.842,103.908 49.842,103.568 50.25,103.16 R27.2@50.25,103.05
  Bottom Layer w0.25: M10.V2@49.795,106.78 49.795,103.73 51.155,102.37 M2.N1@51.155,101.352
CANIST: M2.E21 M7.W26 | length 14.2
  Bottom Layer w0.2: M2.E21@85.102,81.385 92.615,81.385 92.775,81.225 96.7,81.225 97.756,80.169 M7.W26@98.772,80.169
CE: M2.E22 M7.W25 | length 14.1
  Bottom Layer w0.2: M2.E22@85.102,80.725 96.634,80.725 97.631,79.729 M7.W25@98.772,79.729
CLT: M1.N16 M2.S18 | length 1.6
  Bottom Layer w0.2: M1.N16@57.583,63.83 M2.S18@57.583,65.42
CLUTCH: M1.N8 M2.S26 | length 1.6
  Bottom Layer w0.2: M1.N8@48.783,63.83 M2.S26@48.783,65.42
COIL_A1: M2.E14 M7.W33 | length 14.3
  Bottom Layer w0.2: M2.E14@85.102,86.005 96.97,86.005 98.381,84.594 M7.W33@98.772,84.594
COIL_A2: M2.E15 M7.W32 | length 14.3
  Bottom Layer w0.2: M2.E15@85.102,85.345 96.955,85.345 98.366,83.934 M7.W32@98.772,83.934
COIL_B1: M2.E16 M7.W31 | length 14.3
  Bottom Layer w0.2: M2.E16@85.102,84.685 96.612,84.685 98.024,83.274 M7.W31@98.772,83.274
COIL_B2: M2.E17 M7.W30 | length 14.3
  Bottom Layer w0.2: M2.E17@85.102,84.025 96.6,84.025 98.011,82.614 M7.W30@98.772,82.614
CRANK: M1.N21 M2.S13 | length 1.6
  Bottom Layer w0.2: M1.N21@63.082,63.83 M2.S13@63.082,65.42
CRANK_PULLUP: D26.2 D37.2 R4.2 | length 7.1
  Top Layer w0.25: D26.2@63.8,45.775 64.625,44.95 64.625,42.475 65.6,41.5 D37.2@65.65,41.5 65.65,39.5 R4.2@65.7,39.45
ECF: M2.E28 M7.W21 | length 13.9
  Bottom Layer w0.2: M2.E28@85.102,76.765 91.36,76.765 91.911,76.214 M7.W21@98.772,76.214
EGR: M1.N11 M2.S23 | length 1.6
  Bottom Layer w0.2: M1.N11@52.083,63.83 M2.S23@52.083,65.42
EXT_IO1: M2.N8 P3.5 | length 27.8
  Bottom Layer w0.25: P3.5@48.55,124.605 49.875,123.28 49.875,115.382 58.475,106.782 58.475,103.175 57.325,102.025 M2.N8@57.325,101.352
EXT_IO2: M2.N9 P3.7 | length 30.3
  Bottom Layer w0.25: P3.7@48.55,127.145 50.325,125.37 50.325,115.568 58.925,106.968 58.925,102.55 58.425,102.05 M2.N9@58.425,101.352
EXT_IO3: M2.N10 P3.9 | length 32.9
  Bottom Layer w0.25: P3.9@48.55,129.685 50.775,127.46 50.775,115.755 59.525,107.005 M2.N10@59.525,101.352
EXT_IO4: M2.N11 P3.11 | length 36
  Bottom Layer w0.25: P3.11@48.55,132.225 48.775,132.225 51.225,129.775 51.225,115.941 60.625,106.541 M2.N11@60.625,101.352
EXT_SPI_CS1: M2.E4 U2.10 | length 83.7
  Top Layer w0.25: U2.10@43.025,119.275 43.025,124.1 44.58,125.655 48.995,125.655 50.775,123.875 50.775,122.614 51.814,121.575 72.912,121.575 88.914,121.575 90.904,119.584 90.904,100.55 90.279,99.925 v1(90.279,99.83)
  Bottom Layer w0.25: M2.E4@85.102,95.245 85.429,95.245 89.684,99.5 89.95,99.5 v1(90.279,99.83)
EXT_SPI_CS2: M2.E5 P3.8 | length 79.8
  Top Layer w0.25: P3.8@46.01,127.12 46.315,127.12 47.445,128.25 49.225,128.25 51.225,126.25 51.225,122.8 52,122.025 72.725,122.025 89.1,122.025 91.354,119.771 91.354,100.021 90.867,99.534 90.867,99.117 v1(90.8,99.05)
  Bottom Layer w0.25: M2.E5@85.102,94.585 85.227,94.585 85.437,94.795 85.615,94.795 89.87,99.05 v1(90.8,99.05)
EXT_SPI_MISO: M2.E2 P3.2 U2.1 | length 76
  Top Layer w0.25: U2.1@41.35,119.275 41.35,121.255 41.475,121.38 v1(41.475,121.475) ; P3.2@46.01,119.5 46.242,119.5 46.767,118.975 47.115,118.975 47.665,118.425 49.504,118.425 50.854,119.775 88.168,119.775 88.654,119.289 88.654,101.781 88.879,101.556 v1(88.879,100.83)
  Bottom Layer w0.25: v1(41.475,121.475) 44.035,121.475 P3.2@46.01,119.5 ; M2.E2@85.102,96.565 85.451,96.565 85.661,96.775 88.879,99.993 v1(88.879,100.83)
EXT_SPI_MOSI: M2.E3 P3.6 U2.2 | length 82.9
  Top Layer w0.25: v1(40.9,123) 40.85,122.95 40.85,119.015 41.09,118.775 U2.2@41.35,118.775 ; P3.6@46.01,124.58 47.315,123.275 49.477,123.275 51.627,121.125 73.098,121.125 88.727,121.125 90.454,119.398 90.454,101.154 v1(89.55,100.25)
  Bottom Layer w0.25: v1(40.9,123) 41.55,123 43.13,124.58 P3.6@46.01,124.58 ; M2.E3@85.102,95.905 85.428,95.905 85.848,96.325 89.483,99.96 89.483,100.183 v1(89.55,100.25)